# Altium PCB DIOT_template.PcbDoc (part 2 of 2)
Units mm, origin at the board's own origin, x right, y up, seen from the top; angles counter-clockwise.
Board outline 222.37 x 100 mm, 6 copper layers (TopLayer, MidLayer1, MidLayer2, SignalLayer1, Internal Plane 1, BottomLayer), stack 1.528 mm thick; 129 components, 137 nets, 557 pads, 0 vias.
Unrouted connection lines stored in the file: 202.
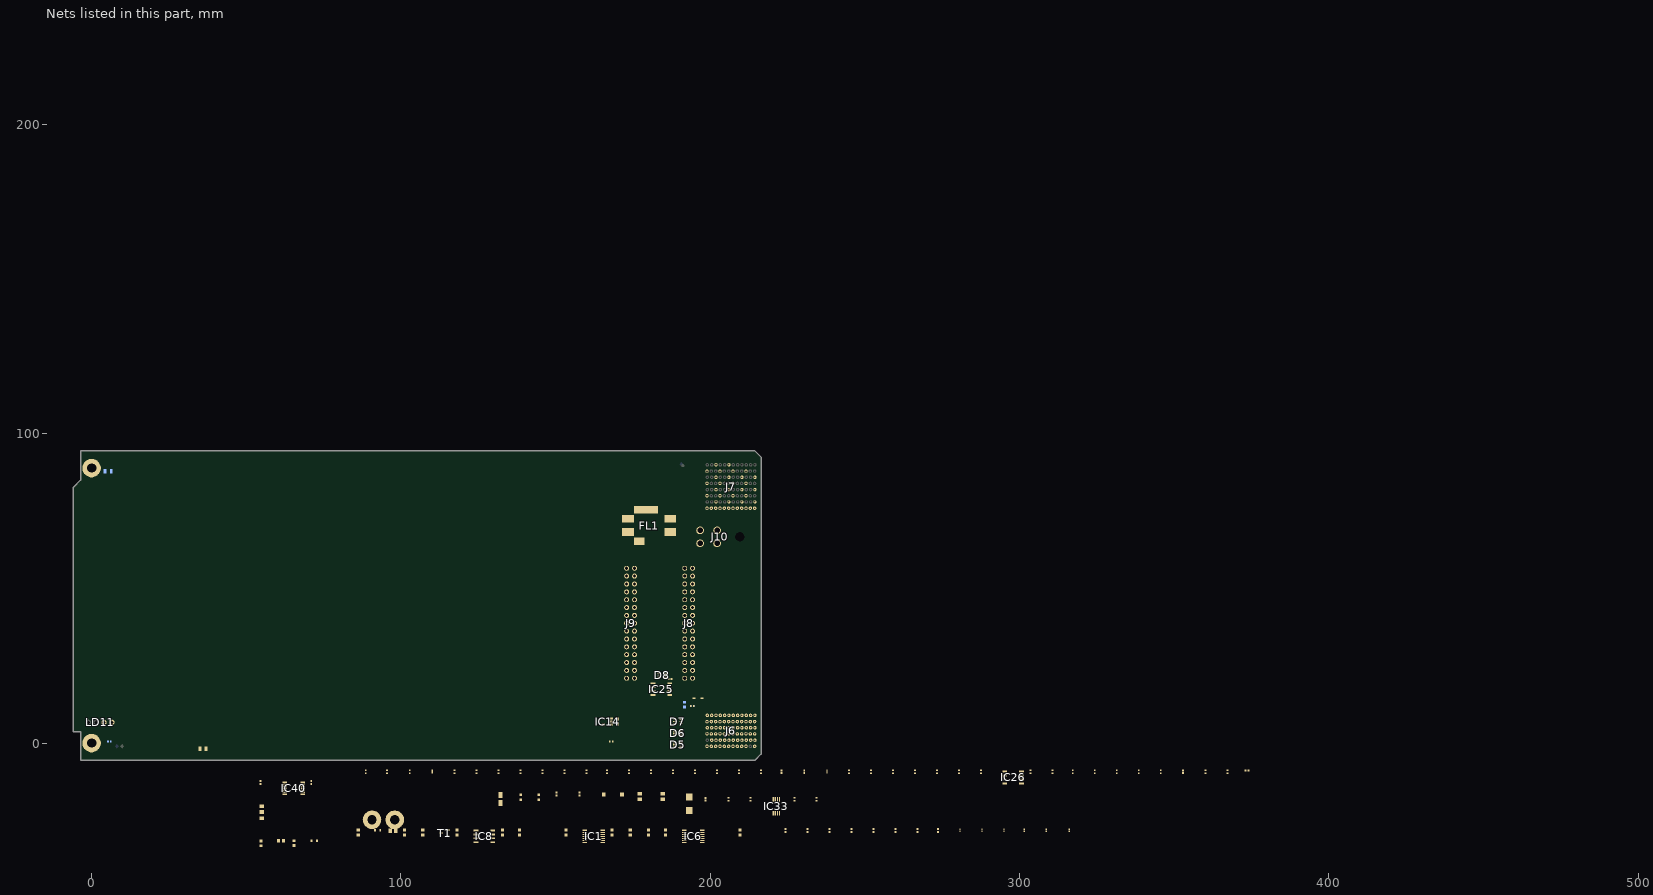
[diagram p3: the nets of this part, all layers, seen from the top]

## Part data
C1 C10 C11 C14: library part CC0603_100NF_50V_10%_X7R, "Non-polarised capacitor", Case=0603, Manufacturer=GENERIC, Manufacturer1 ComponentHeight=0.87mm, Manufacturer1 Example=PHYCOMP, Manufacturer1 Part Number=223858615649, Tolerance=±10%, Voltage=50V, Author="CERN DEM JLC", Component Type=Standard, CreateDate=03.12.2007, HelpURL=\\cern.ch\dfs\Applications\Altium\Datasheets\CC0603_X7R_PHYCOMP.pdf, LatestRevisionDate=03.12.2007, Manufacturer Part Number=CC0603_100NF_50V_10%_X7R, Mounted=Yes, Part Description="SMD Multilayer Chip Ceramic Capacitor", Part Number=CC0603_100NF_50V_10%_X7R, Pin Count=2, Sense=No, SMD=Yes, Socket=No, Status=Preferred, TC=X7R
C8: library part CC0805_22UF_16V_10%_X5R, "Non-polarised capacitor", Case=0805, Manufacturer=GENERIC, Manufacturer1 ComponentHeight=1.35mm, Manufacturer1 Example=TDK, Manufacturer1 Part Number=C2012X5R1C226KT, Tolerance=±10%, Voltage=16V, Author="CERN DEM JLC", Component Type=Standard, CreateDate=25.10.2012, HelpURL=\\cern.ch\dfs\Applications\Altium\Datasheets\CC0805_X5R_TDK_C.pdf, LatestRevisionDate=25.10.2012, Manufacturer Part Number=CC0805_22UF_16V_10%_X5R, Mounted=Yes, Part Description="SMD Multilayer Chip Ceramic Capacitor", Part Number=CC0805_22UF_16V_10%_X5R, Pin Count=2, Sense=No, SMD=Yes, Socket=No, Status=Preferred, TC=X5R
C12: library part CC0603_1UF_16V_10%_X7R, "Non-polarised capacitor", Case=0603, Manufacturer=GENERIC, Manufacturer1 ComponentHeight=0.9mm, Manufacturer1 Example="YAGEO PHYCOMP", Manufacturer1 Part Number=223878615663, Tolerance=±10%, Voltage=16V, Author="CERN DEM JLC", Component Type=Standard, CreateDate=03.12.2007, HelpURL=\\cern.ch\dfs\Applications\Altium\Datasheets\CC0603_X7R_PHYCOMP.pdf, LatestRevisionDate=17.04.2015, Manufacturer Part Number=CC0603_1UF_16V_10%_X7R, Mounted=Yes, Part Description="SMD Multilayer Chip Ceramic Capacitor", Part Number=CC0603_1UF_16V_10%_X7R, Pin Count=2, Sense=No, SMD=Yes, Socket=No, Status=None, TC=X7R
C40: library part CC0603_1UF_25V_10%_X7R, "Non-polarised capacitor", Case=0603, Manufacturer=GENERIC, Manufacturer1 ComponentHeight=0.9mm, Manufacturer1 Example=MURATA, Manufacturer1 Part Number=GRM188R71E105KA12D, Tolerance=±10%, Voltage=25V, Author="CERN DEM JLC", Component Type=Standard, CreateDate=18.01.2011, HelpURL=\\cern.ch\dfs\Applications\Altium\Datasheets\CC0603_X7R_MURATA.pdf, LatestRevisionDate=18.01.2011, Manufacturer Part Number=CC0603_1UF_25V_10%_X7R, Mounted=Yes, Part Description="SMD Multilayer Chip Ceramic Capacitor", Part Number=CC0603_1UF_25V_10%_X7R, Pin Count=2, Sense=No, SMD=Yes, Socket=No, Status=None, TC=X7R
C102: library part CTE3216-18_4.7UF_10V_10%_AVX_TPSA475K010T1400, "Polarised capacitor", Case=A, Manufacturer=AVX, Manufacturer Part Number=TPSA475K010T1400, Tolerance=±10%, Voltage=10V, Author="CERN DEM JLC", Component Type=Standard, ComponentHeight=1.8mm, CreateDate=23.01.2018, HelpURL=\\cern.ch\dfs\Applications\Altium\Datasheets\CTE-LESR_AVX_TPS-AUTO.pdf, LatestRevisionDate=23.01.2018, Mounted=Yes, Part Description="Low ESR 1R4 Automotive Solid Tantalum Chip Capacitor", Part Number=CTE3216-18_4.7UF_10V_10%_AVX_TPSA475K010T1400, Pin Count=2, Sense=No, SMD=Yes, Socket=No, Status=Preferred
C212: library part CC0402_22PF_50V_5%_C0G, "Non-polarised capacitor", Case=0402, Manufacturer=GENERIC, Manufacturer1 ComponentHeight=0.55mm, Manufacturer1 Example=KEMET, Manufacturer1 Part Number=C0402C220J5GACTU, Tolerance=±5%, Voltage=50V, Author="CERN DEM JLC", Component Type=Standard, CreateDate=2007-12-03, HelpURL="\\cern.ch\dfs\Applications\Altium\Datasheets\CC0402_C0G_KEMET_(Commercial Grade).pdf", LatestRevisionDate=2007-12-03, Manufacturer Part Number=CC0402_22PF_50V_5%_C0G, Mounted=Yes, Part Description="SMD Multilayer Chip Ceramic Capacitor", Part Number=CC0402_22PF_50V_5%_C0G, Pin Count=2, Sense=No, SMD=Yes, Socket=No, Status=Preferred, TC=C0G/NP0
C219 C306 C307: library part CC0402_100NF_25V_10%_X7R_YUDEN_TMK105B7104KVHF, "Non-polarised capacitor", Case=0402, Manufacturer="TAIYO YUDEN", Manufacturer Part Number=TMK105B7104KVHF, Tolerance=±10%, Voltage=25V, Author="CERN DEM JLC", Component Type=Standard, ComponentHeight=0.55mm, CreateDate=10-May-17, HelpURL=\\cern.ch\dfs\Applications\Altium\Datasheets\CC0402_TAIYO-YUDEN_TMK105B7104KVHF.pdf, LatestRevisionDate=10-May-17, Mounted=Yes, Part Description="SMD Multilayer Chip Ceramic Capacitor (High Dielectric Type) for Automotive / Industrial Applications", Part Number=CC0402_100NF_25V_10%_X7R_YUDEN_TMK105B7104KVHF, Pin Count=2, Sense=No, SMD=Yes, Socket=No, Status="Not Recommended", TC=X7R
C220 C245 C298: library part CC0402_100NF_16V_10%_X5R, "Non-polarised capacitor", Case=0402, Manufacturer=GENERIC, Manufacturer1 ComponentHeight=0.55mm, Manufacturer1 Example=MURATA, Manufacturer1 Part Number=GRM155R61C104KA88D, Tolerance=±10%, Voltage=16V, Author="CERN DEM JLC", Component Type=Standard, CreateDate=10.12.2013, HelpURL=\\cern.ch\dfs\Applications\Altium\Datasheets\CC0402_X5R_MURATA_GRM.pdf, LatestRevisionDate=10.12.2013, Manufacturer Part Number=CC0402_100NF_16V_10%_X5R, Mounted=Yes, Part Description="SMD Multilayer Chip Ceramic Capacitor", Part Number=CC0402_100NF_16V_10%_X5R, Pin Count=2, Sense=No, SMD=Yes, Socket=No, Status=None, TC=X5R
C262 C263 C264: library part CC0805_10UF_25V_10%_X5R, "Non-polarised capacitor", Case=0805, Manufacturer=GENERIC, Manufacturer1 ComponentHeight=0.95mm, Manufacturer1 Example=MURATA, Manufacturer1 Part Number=GRM219R61E106KA12D, Tolerance=±10%, Voltage=25V, Author="CERN DEM JLC", Component Type=Standard, CreateDate=25.10.2012, HelpURL=\\cern.ch\dfs\Applications\Altium\Datasheets\CC0805_X5R_MURATA_GRM.pdf, LatestRevisionDate=06.09.2016, Manufacturer Part Number=CC0805_10UF_25V_10%_X5R, Mounted=Yes, Part Description="SMD Multilayer Chip Ceramic Capacitor", Part Number=CC0805_10UF_25V_10%_X5R, Pin Count=2, Sense=No, SMD=Yes, Socket=No, Status=Preferred, TC=X5R
D1 D2: "Schottky Diode", Case=SOD-523F, Manufacturer=COMCHIP, Power=500mA, Voltage=20V, Author="CERN DEM HF", Bonding=No, Component Type=Standard, ComponentHeight=1mm, CreateDate=13.10.2023, Device=CDBU0520-HF, HelpURL=\\cern.ch\dfs\Applications\Altium\Datasheets\CDBU0520-HF.pdf, LatestRevisionDate=13.10.2023, Manufacturer Part Number=CDBU0520-HF, Mounted=Yes, PackageDescription="Small Outline Diode Flat Lead (SOD-523F), Body; 1.80mm L X 1mm W X 0.85mm H", Part Description="20V Surface mount Schottky Barrier Diode", Part Number=CDBU0520-HF, Pin Count=2, PressFit=No, Sense=No, SMD=Yes, Socket=No
D5 D6 D7 D8: "Fivefold ESD Protection Diode Arrays", Case=SOT363, Manufacturer=NEXPERIA, Power=200W, Voltage=3.3V, Author="CERN DEM WB", Bonding=No, Component Type=Standard, ComponentHeight=1.1mm, CreateDate=05.07.2021, Device=PESD3V3L5UY, HelpURL=\\cern.ch\dfs\Applications\Altium\Datasheets\PESD3V3L5UY.pdf, LatestRevisionDate=05.07.2021, Manufacturer Part Number=PESD3V3L5UY, Mounted=Yes, PackageDescription="SOT363, SC-88, 0.65mm Pitch; 6 Pin, 1.25mm W X 2.00mm L X 1.10mm H body, IPC Medium Density", Part Description="Fivefold ESD Protection Diode Arrays (30kV)", Part Number=PESD3V3L5UY, Pin Count=6, PressFit=No, Sense=No, SMD=Yes, Socket=No
D10: "Zener Diode", Case=DO-214AA, Manufacturer="FAIRCHILD SEMICONDUCTOR", Power=600W, Voltage=12V, Author="CERN DEM JLC", Bonding=No, Component Type=Standard, ComponentHeight=2.65mm, CreateDate=10.04.2013, Device=SMBJ12A, HelpURL=\\cern.ch\dfs\Applications\Altium\Datasheets\SMBJ.pdf, LatestRevisionDate=10.04.2013, Manufacturer Part Number=SMBJ12A, Mounted=Yes, PackageDescription="DO-214-AA/SMB Diode, Molded Body; 5.34mm L X 3.625mm W X 2.65mm H, IPC Medium Density", Part Description="Uni-Directional Transient Voltage Suppressor Diode", Part Number=SMBJ12A, Pin Count=2, PressFit=No, Sense=No, SMD=Yes, Socket=No
D11: "Schottky Diode", Case=SOD323, Manufacturer=INFINEON, Power=750mA, Voltage=40V, Author="CERN DEM JLC", Bonding=No, Component Type=Standard, ComponentHeight=1.1mm, CreateDate=12.11.2014, Device=BAT165, HelpURL=\\cern.ch\dfs\Applications\Altium\Datasheets\BAT165.pdf, LatestRevisionDate=12.11.2014, Manufacturer Part Number=BAT165, Mounted=Yes, PackageDescription="Small Outline Diode (SOD-323), 1.70mm W X 1.25mm L X 1.10mm H body,  IPC Medium Density", Part Description="Medium Power AF Schottky Diode", Part Number=BAT165, Pin Count=2, PressFit=No, Sense=No, SMD=Yes, Socket=No
FL1: library part FIL_MURATA_BNX022-01L, "Block Type EMIFIL (LC Combined)", Manufacturer=MURATA, Manufacturer Part Number=BNX022-01L, Resistance=0.5R, Author="CERN DEM JLC", Component Type=Standard, ComponentHeight=3.3mm, CreateDate=10.10.2012, HelpURL=\\cern.ch\dfs\Applications\Altium\Datasheets\FIL_MURATA_BNX022-01L.pdf, LatestRevisionDate=10.10.2012, Mounted=Yes, Part Description="Block Type EMIFIL (LC Combined) SMD Type, BNX02* Series", Part Number=FIL_MURATA_BNX022-01L, Pin Count=2, Sense=No, SMD=Yes, Socket=No, Status=None
FTG1: library part FIDUCIAL_TARGET_C100-200, "Fiducial Target", Author="CERN DEM JLC", Component Type="Standard (No BOM)", ComponentHeight=0mm, CreateDate=09.02.2010, Family=Fiducial, HelpURL=Undefined, LatestRevisionDate=04.04.2012, Mounted=No, PackageDescription="Round Fiducial Target, Top Layer, 1.0mm, Top Solder 2.0mm, Keepout =2.0mm", Part Description="Round Fiducial Target, Top Layer, 1.0mm, Top Solder 2.0mm, Keepout =2.0mm", Part Number=FIDUCIAL_TARGET_C100-200, Pin Count=1, Sense=No, SMD=Yes, Socket=No, Status=None
FTG2 FTG3 FTG4: library part FIDUCIAL_TARGET_S100-200, "Fiducial Target", Author="CERN DEM JLC", Component Type="Standard (No BOM)", ComponentHeight=0mm, CreateDate=09.02.2010, Family=Fiducial, HelpURL=Undefined, LatestRevisionDate=04.04.2012, Mounted=No, PackageDescription="Square Fiducial Target, Top Layer, 1.0mm, Top Solder 2.0mm, Keepout =2.0mm", Part Description="Square Fiducial Target, Top Layer, 1.0mm, Top Solder 2.0mm, Keepout =2.0mm", Part Number=FIDUCIAL_TARGET_S100-200, Pin Count=1, Sense=No, SMD=Yes, Socket=No, Status=None
IC1 IC6 IC40: Case=TSSOP14, Manufacturer="NXP SEMICONDUCTORS", Author="CERN DEM JLC", Bonding=No, Component Type=Standard, ComponentHeight=1.1mm, CreateDate=2014-11-19, Device=74HC4066PW, HelpURL=\\cern.ch\dfs\Applications\Altium\Datasheets\74HC4066PW.pdf, LatestRevisionDate=2014-11-19, Manufacturer Part Number=74HC4066PW, Mounted=Yes, PackageDescription="SOP, 14-Leads, Body 4.4x5mm (max), Pitch 0.65mm, IPC Medium Density", Part Description="Quad Single-Pole Single-Throw Analog Switch", Part Number=74HC4066PW, Pin Count=14, PressFit=No, SMD=Yes, Socket=No, Table="Standard Logic"
IC8: "LinCMOS Timer", Case=SOIC8, Manufacturer="TEXAS INSTRUMENTS", Author="CERN DEM JMW", Bonding=No, Component Type=Standard, ComponentHeight=1.75mm, CreateDate=23.08.2016, Device=TLC555ID, HelpURL=\\cern.ch\dfs\Applications\Altium\Datasheets\TLC555ID.pdf, LatestRevisionDate=23.08.2016, Manufacturer Part Number=TLC555ID, Mounted=Yes, PackageDescription="SOIC 8, Pitch 1.27mm, Body 4x5mm, IPC Medium Density", Part Description="LinCMOS Timer", Part Number=TLC555ID, Pin Count=8, PressFit=No, Sense=No, SMD=Yes, Socket=No
IC14: "500mA Peak Output LDO Regulator", Case=SOT23-5, Manufacturer="MICROCHIP TECHNOLOGY", Author="CERN DEM WB", Bonding=No, Component Type=Standard, ComponentHeight=1.45mm, CreateDate=2019-04-16, Device=MIC5219-3.3YM5, HelpURL=\\cern.ch\dfs\Applications\Altium\Datasheets\MIC5219-3.3YM5.pdf, LatestRevisionDate=2019-04-16, Manufacturer Part Number=MIC5219-3.3YM5, Mounted=Yes, PackageDescription="SOT, 0.95mm pitch; 5 pin, 1.60mm W X 2.90mm L X 1.45mm H body, IPC Medium Density", Part Description="3.3V 500mA Peak Output Low Drop-Out  (LDO) Regulator", Part Number=MIC5219-3.3YM5, Pin Count=5, PressFit=No, Sense=No, SMD=Yes, Socket=No
IC25 IC26: "1.7V-5.5V, 2K I2C™ Serial EEPROMs with EUI-48™ Node Identity", Case=SOIC8, Manufacturer="MICROCHIP TECHNOLOGY", Author="CERN DEM MR", Bonding=No, Component Type=Standard, ComponentHeight=1.75mm, CreateDate=19.07.2016, Device=24AA025E48-I/SN, HelpURL=\\cern.ch\dfs\Applications\Altium\Datasheets\24AA025E48-I-SN.pdf, LatestRevisionDate=19.07.2016, Manufacturer Part Number=24AA025E48-I/SN, Mounted=Yes, PackageDescription="SOIC 8, Pitch 1.27mm - Body 4x5mm, IPC Medium Density", Part Description="1.7V-5.5V, 2K I2C™ Serial EEPROMs with EUI-48™ Node Identity", Part Number=24AA025E48-I/SN, Pin Count=8, PressFit=No, Sense=No, SMD=Yes, Socket=No
IC33: "Digital Temperature Sensor and Thermal Watchdog with Two-Wire Interface", Case=SSOP8, Manufacturer="TEXAS INSTRUMENTS", Author="CERN DEM JLC", Bonding=No, Component Type=Standard, ComponentHeight=1.09mm, CreateDate=15.10.2012, Device=LM75AIMM/NOPB, HelpURL=\\cern.ch\dfs\Applications\Altium\Datasheets\LM75AIMM-NOPB.pdf, LatestRevisionDate=15.10.2012, Manufacturer Part Number=LM75AIMM/NOPB, Mounted=Yes, PackageDescription="SOP, 0.65mm pitch; 8 pin,3.00mm W X 3.00mm L X 1.09mm H bodyI, PC Medium Density", Part Description="-25° to +100°C ±2°C Digital Temperature Sensor and Thermal Watchdog with Two-Wire Interface", Part Number=LM75AIMM/NOPB, Pin Count=8, PressFit=No, Sense=No, SMD=Yes, Socket=No
J6: library part AMPHENOL_10052825-101LF, "72 Contacts Header, 6 Columns, 4 Pairs per Column", Manufacturer=AMPHENOL, Manufacturer Part Number=10052825-101LF, Author="CERN DEM MR", ClassName=Overlapping, Component Type=Standard, ComponentHeight=15.35mm, ComponentLink1Description=Application, ComponentLink1URL=\\cern.ch\dfs\Applications\Altium\Datasheets\AMPHENOL_10052825-101LF_Application.pdf, CreateDate=19/02/2018, Family="AirMax VS", HelpURL=\\cern.ch\dfs\Applications\Altium\Datasheets\AMPHENOL_10052825-101LF.pdf, LatestRevisionDate=19/02/2018, Mounted=Yes, Part Description="72 Contacts, 2mm Pitch, 6 Columns, 4 Pairs per Column, 4 Walls, Right Angle Header", Part Number=AMPHENOL_10052825-101LF, Pin Count=72, PressFit=Yes, Sense=No, SMD=No, Socket=No, Status=None
J7: library part AMPHENOL_10052838-101LF, "96 Contacts Header, 8 Columns, 4 Pairs per Column", Manufacturer=AMPHENOL, Manufacturer Part Number=10052838-101LF, Author="CERN DEM MR", Component Type=Standard, ComponentHeight=15.35mm, ComponentLink1Description=Application, ComponentLink1URL=\\cern.ch\dfs\Applications\Altium\Datasheets\AMPHENOL_10052838-101LF_Application.pdf, CreateDate=19.02.2018, Family="AirMax VS", HelpURL=\\cern.ch\dfs\Applications\Altium\Datasheets\AMPHENOL_10052838-101LF.pdf, LatestRevisionDate=19.02.2018, Mounted=Yes, Part Description="96 Contacts, 2mm Pitch, 8 Columns, 4 Pairs per Column, 4 Walls, Right Angle Header", Part Number=AMPHENOL_10052838-101LF, Pin Count=96, PressFit=Yes, Sense=No, SMD=No, Socket=No, Status=None
J8 J9: library part 3M_N2530-6002RB, "Connector 30 Male", Manufacturer=3M, Manufacturer Part Number=N2530-6002RB, Author="CERN DEM JLC", Component Type=Standard, ComponentHeight=10.03mm, CreateDate=11.02.2009, Family="Header 30", HelpURL=\\cern.ch\dfs\Applications\Altium\Datasheets\3M_N2530-6002RB.pdf, LatestRevisionDate=11.08.2009, Mounted=Yes, Part Description="30 Contacts - Straight .100'' x .100'' Low Profile Four-Wall Header, 2500 Series", Part Number=3M_N2530-6002RB, Pin Count=30, PressFit=No, Sense=No, SMD=No, Socket=No, Status=None
J10: library part MOLEX_39-30-0040, "Connector 4 Male", Manufacturer=MOLEX, Manufacturer Part Number=39-30-0040, Author="CERN DEM JLC", Component Type=Standard, ComponentHeight=11.4mm, CreateDate=2018-10-02, Family="Mini-Fit Jr.™", HelpURL=\\cern.ch\dfs\Applications\Altium\Datasheets\MOLEX_39-30-0040.pdf, LatestRevisionDate=2018-10-02, Mounted=Yes, Part Description="4.20mm (.165\") Pitch Mini-Fit Jr. Header, Dual Row, Right Angle with Snap-in Plastic Peg PCB Lock, 4 Circuits", Part Number=MOLEX_39-30-0040, Pin Count=4, PressFit=No, Sense=No, SMD=No, Socket=No, Status=None
LD4 LD5: library part LED_KINGBRIGHT_KPH-1608CGCK, "LED Green 1C 2A", Manufacturer=KINGBRIGHT, Manufacturer Part Number=KPH-1608CGCK, Author="CERN DEM JLC", Bonding=No, Color=Green, Component Type=Standard, ComponentHeight=0.65mm, CreateDate=03.07.2017, HelpURL=\\cern.ch\dfs\Applications\Altium\Datasheets\LED_KINGBRIGHT_KPH-1608CGCK.pdf, LatestRevisionDate=03.07.2017, Mounted=Yes, PackageDescription="SMT Green LED, Case 0603, Body L 1.6 x W 0.8mm H 0.65mm", Part Description="SMD Green LED, Case 1.6mmX0.8mm(0603), 0.65mm Thickness", Part Number=LED_KINGBRIGHT_KPH-1608CGCK, Pin Count=2, PressFit=No, Sense=No, SMD=Yes, Socket=No
LD11: library part LED_DIALIGHT_571-0112F, "2x LED  Botom Green, Top Red", Manufacturer=DIALIGHT, Manufacturer Part Number=571-0112F, Author="CERN DEM JLC", Bonding=No, Color=Red/Green, Component Type=Standard, ComponentHeight=8.6mm, CreateDate=09.11.2009, HelpURL=\\cern.ch\dfs\Applications\Altium\Datasheets\LED_DIALIGHT_571-0112F.pdf, LatestRevisionDate=17.03.2010, Mounted=Yes, PackageDescription="2x 2mm LED (Top: Red, Bot: Green) PCB Edge Mounting (Without positioning pins) DIALIGHT 571 Serie", Part Description="Dual 2mm  LEDs, Red Top,Green Bot, CBI® Circuit Board Indicator (Without positioning pins)", Part Number=LED_DIALIGHT_571-0112F, Pin Count=4, PressFit=No, Sense=No, SMD=No, Socket=No
M1 M2 M3 M4: library part PLATED_HOLE3.0_PAD6.0, "Single Terminal Socket", Author="CERN DEM JLC", Component Type="Standard (No BOM)", ComponentHeight=0mm, CreateDate=26.05.2008, Family="Plated Hole", LatestRevisionDate=26.05.2008, Mounted=No, PackageDescription="Plated Through Hole: Hole Dia.=3.0mm Pad Dia.=6.0mm", Part Description="Plated Through Hole: Hole Dia.=3.0mm Pad Dia.=6.0mm", Part Number=PLATED_HOLE3.0_PAD6.0, Pin Count=1, SMD=No, Socket=No, Status=None, Table=Pads
R3 R77 R145 R146 R147 R148 R149 R150 R151 R152 R153 R154 R155 R156 R157 R158 R159 R161 R162 R163 R164 R167 R168 R169 R170 R171 R172 R173 R174 R175 R176 R177 R188 R194 R257 R260 R261 R262: library part R0402_0R_JUMPER, "Resistor", Case=0402, Manufacturer=GENERIC, Manufacturer1 ComponentHeight=0.4mm, Manufacturer1 Example="YAGEO PHYCOMP", Manufacturer1 Part Number=232270591001L, Author="CERN DEM JLC", Component Type=Standard, CreateDate=03.12.2007, HelpURL=\\cern.ch\dfs\Applications\Altium\Datasheets\R0402_Phycomp_RC0402.pdf, LatestRevisionDate=17.10.2012, Manufacturer Part Number=R0402_0R_JUMPER, Mounted=Yes, Part Description="1A (0.05R Max DC Resistance) Zero Ohm Jumper", Part Number=R0402_0R_JUMPER, Pin Count=2, Sense=No, SMD=Yes, Socket=No
  R3 R77 R145 R146 R147 R148 R149 R150 R151 R152 R153 R154 R155 R156 R157 R158 R159 R161 R162 R163 R164 R167 R168 R169 R170 R171 R172 R173 R174 R175 R176 R177 R257 R260 R261 R262: PressFit=No, Status="Not Recommended"
  R188 R194: Status="Not recommended"
R28 R30 R37 R38 R39 R40 R46: library part R0603_10K_1%_0.1W_100PPM, "Resistor - 1%", Case=0603, Manufacturer=GENERIC, Manufacturer1 ComponentHeight=0.55mm, Manufacturer1 Example="NIC COMPONENT", Manufacturer1 Part Number=NRC06F1002TRF, Power=0.1W, Tolerance=±1%, Author="CERN DEM JLC", Component Type=Standard, CreateDate=03.12.2007, HelpURL=\\cern.ch\dfs\Applications\Altium\Datasheets\R0603_NIC_NRC.pdf, LatestRevisionDate=13.03.2008, Manufacturer Part Number=R0603_10K_1%_0.1W_100PPM, Mounted=Yes, Part Description="General Purpose Thick Film Chip Resistor", Part Number=R0603_10K_1%_0.1W_100PPM, Pin Count=2, PressFit=No, Sense=No, SMD=Yes, Socket=No, Status=Preferred, TC=±100ppm/°C
R32 R33: library part R0603_0R_JUMPER, "Resistor", Case=0603, Manufacturer=GENERIC, Manufacturer1 ComponentHeight=0.55mm, Manufacturer1 Example="NIC COMPONENT", Manufacturer1 Part Number=NRC06Z0, Author="CERN DEM JLC", Component Type=Standard, CreateDate=03.12.2007, HelpURL=\\cern.ch\dfs\Applications\Altium\Datasheets\R0603_NIC_NRC.pdf, LatestRevisionDate=13.03.2008, Manufacturer Part Number=R0603_0R_JUMPER, Mounted=Yes, Part Description="1A (0.05R Max DC Resistance) Zero Ohm Jumper", Part Number=R0603_0R_JUMPER, Pin Count=2, PressFit=No, Sense=No, SMD=Yes, Socket=No, Status=Preferred
R35 R43: library part R0603_2K7_1%_0.1W_100PPM, "Resistor - 1%", Case=0603, Manufacturer=GENERIC, Manufacturer1 ComponentHeight=0.55mm, Manufacturer1 Example="YAGEO PHYCOMP", Manufacturer1 Part Number=RC0603FR-072K7L, Power=0.1W, Tolerance=±1%, Author="CERN DEM JLC", Component Type=Standard, CreateDate=02.05.2011, HelpURL=\\cern.ch\dfs\Applications\Altium\Datasheets\R0603_PHYCOMP_RC0603.pdf, LatestRevisionDate=02.05.2011, Manufacturer Part Number=R0603_2K7_1%_0.1W_100PPM, Mounted=Yes, Part Description="General Purpose Thick Film Chip Resistor", Part Number=R0603_2K7_1%_0.1W_100PPM, Pin Count=2, PressFit=No, Sense=No, SMD=Yes, Socket=No, Status=Preferred, TC=±100ppm/°C
R119 R120: library part "R0805_10M_1%_0.125W_100PPM_VISHAY_CRCW e3", "Resistor - 1%", Case=0805, Manufacturer="VISHAY DALE", Manufacturer Part Number=CRCW080510M0FKEA, Power=0.125W, Tolerance=±1%, Author="CERN DEM BC", Component Type=Standard, ComponentHeight=0.5mm, CreateDate=2019-11-12, HelpURL="\\cern.ch\dfs\Applications\Altium\Datasheets\R0805_VISHAY_CRCW e3.pdf", LatestRevisionDate=2019-11-12, Mounted=Yes, Part Description="150V, Standard Thick Film Chip Resistor", Part Number="R0805_10M_1%_0.125W_100PPM_VISHAY_CRCW e3", Pin Count=2, PressFit=No, Sense=No, SMD=Yes, Socket=No, Status=None, TC=±100ppm/°C
R126: library part R0805_1M1_1%_0.125W_100PPM, "Resistor - 1%", Case=0805, Manufacturer=GENERIC, Manufacturer1 ComponentHeight=0.6mm, Manufacturer1 Example="NIC COMPONENT", Manufacturer1 Part Number=NRC10F1104TRF, Author="CERN DEM JLC", Component Type=Standard, CreateDate=03/12/2007, HelpURL=\\cern.ch\dfs\Applications\Altium\Datasheets\R0805_NIC_NRC.pdf, LatestRevisionDate=13/03/2008, Manufacturer Part Number=R0805_1M1_1%_0.125W_100PPM, Mounted=Yes, Part Description="General Purpose Thick Film Chip Resistor", Part Number=R0805_1M1_1%_0.125W_100PPM, Pin Count=2, PressFit=No, Sense=No, SMD=Yes, Socket=No, Status=Preferred
R127 R128 R141 R142 R143 R144 R245 R246: library part R0201_0R_JUMPER, "Resistor", Case=0201, Manufacturer=GENERIC, Manufacturer1 ComponentHeight=0.27mm, Manufacturer1 Example=VISHAY, Manufacturer1 Part Number=CRCW02010000Z0ED, Author="CERN DEM JLC", Component Type=Standard, CreateDate=2014-11-19, HelpURL="\\cern.ch\dfs\Applications\Altium\Datasheets\R0201_VISHAY_CRCW e3.pdf", LatestRevisionDate=2015-01-08, Manufacturer Part Number=R0201_0R_JUMPER, Mounted=Yes, Part Description="1A (0.05R Max DC Resistance) Zero Ohm Jumper", Part Number=R0201_0R_JUMPER, Pin Count=2, PressFit=No, Sense=No, SMD=Yes, Socket=No, Status="Not Recommended"
R130 R131 R132 R133 R134 R135 R136 R137 R138 R139 R140: library part R0402_22R_1%_0.0625W_100PPM, "Resistor - 1%", Case=0402, Manufacturer=GENERIC, Manufacturer1 ComponentHeight=0.4mm, Manufacturer1 Example="YAGEO PHYCOMP", Manufacturer1 Part Number=232270672209L, Power=0.0625W, Tolerance=±1%, Author="CERN DEM JLC", Component Type=Standard, CreateDate=03.12.2007, HelpURL=\\cern.ch\dfs\Applications\Altium\Datasheets\R0402_Phycomp_RC0402.pdf, LatestRevisionDate=17.10.2012, Manufacturer Part Number=R0402_22R_1%_0.0625W_100PPM, Mounted=Yes, Part Description="General Purpose Thick Film Chip Resistor", Part Number=R0402_22R_1%_0.0625W_100PPM, Pin Count=2, PressFit=No, Sense=No, SMD=Yes, Socket=No, Status="Not Recommended"
R186: library part R0402_1K6_1%_0.0625W_100PPM, "Resistor - 1%", Case=0402, Manufacturer=GENERIC, Manufacturer1 ComponentHeight=0.4mm, Manufacturer1 Example="YAGEO PHYCOMP", Manufacturer1 Part Number=232270671602L, Power=0.0625W, Tolerance=±1%, Author="CERN DEM JLC", Component Type=Standard, CreateDate=03.12.2007, HelpURL=\\cern.ch\dfs\Applications\Altium\Datasheets\R0402_Phycomp_RC0402.pdf, LatestRevisionDate=17.10.2012, Manufacturer Part Number=R0402_1K6_1%_0.0625W_100PPM, Mounted=Yes, Part Description="General Purpose Thick Film Chip Resistor", Part Number=R0402_1K6_1%_0.0625W_100PPM, Pin Count=2, PressFit=No, Sense=No, SMD=Yes, Socket=No, Status="Not Recommended", TC=±100ppm/°C
R187 R224: library part R0402_10K_1%_0.0625W_100PPM, "Resistor - 1%", Case=0402, Manufacturer=GENERIC, Manufacturer1 ComponentHeight=0.4mm, Manufacturer1 Example="YAGEO PHYCOMP", Manufacturer1 Part Number=232270671003L, Power=0.0625W, Tolerance=±1%, Author="CERN DEM JLC", Component Type=Standard, CreateDate=03.12.2007, HelpURL=\\cern.ch\dfs\Applications\Altium\Datasheets\R0402_Phycomp_RC0402.pdf, LatestRevisionDate=17.10.2012, Manufacturer Part Number=R0402_10K_1%_0.0625W_100PPM, Mounted=Yes, Part Description="General Purpose Thick Film Chip Resistor", Part Number=R0402_10K_1%_0.0625W_100PPM, Pin Count=2, PressFit=No, Sense=No, SMD=Yes, Socket=No, Status="Not Recommended", TC=±100ppm/°C
R225: library part R0402_1K_1%_0.0625W_100PPM, "Resistor - 1%", Case=0402, Manufacturer=GENERIC, Manufacturer1 ComponentHeight=0.4mm, Manufacturer1 Example="YAGEO PHYCOMP", Manufacturer1 Part Number=232270671002L, Power=0.0625W, Tolerance=±1%, Author="CERN DEM JLC", Component Type=Standard, CreateDate=03.12.2007, HelpURL=\\cern.ch\dfs\Applications\Altium\Datasheets\R0402_Phycomp_RC0402.pdf, LatestRevisionDate=17.10.2012, Manufacturer Part Number=R0402_1K_1%_0.0625W_100PPM, Mounted=Yes, Part Description="General Purpose Thick Film Chip Resistor", Part Number=R0402_1K_1%_0.0625W_100PPM, Pin Count=2, PressFit=No, Sense=No, SMD=Yes, Socket=No, Status="Not Recommended", TC=±100ppm/°C
T1: "N-CHANNEL MOSFET WITH DIODE", Case=SOT23-3, Manufacturer="ON SEMICONDUCTOR", Manufacturer Part Number=BSS138L, Author="CERN DEM JLC", Bonding=No, Component Type=Standard, ComponentHeight=1.11mm, CreateDate=23.03.2009, Device=BSS138LT1G, HelpURL=\\cern.ch\dfs\Applications\Altium\Datasheets\BSS138LT1G.pdf, LatestRevisionDate=25.05.2022, Mounted=Yes, PackageDescription="SOT23, 0.95mm Pitch; 3 Pin, 1.40mm W X 3.00mm L X 1.10mm H body, IPC Medium Density", Part Description="50V, 200mA N-Channel Enhancement Mode Field-Effect Transistor", Part Number=BSS138LT1G, Pin Count=3, PressFit=No, Sense=No, SMD=Yes, Socket=No
TP2 TP3: library part SMD_PAD_1.27X1.27MM, "Test Point", Author="CERN DEM JLC", Component Type="Standard (No BOM)", ComponentHeight=0mm, CreateDate=12.01.2008, Family="Test Point", HelpURL=Undefined, LatestRevisionDate=12.01.2008, Mounted=No, PackageDescription="1.27mm x 1.27mm PCB Copper Area (SMD Test Point)", Part Description="1.27mm x 1.27mm PCB Copper Area (SMD Test Point)", Part Number=SMD_PAD_1.27X1.27MM, Pin Count=1, Sense=No, SMD=Yes, Socket=No, Status=None

## Nets (pads, with @x,y where several pads share a name; then routed paths per layer and width w, separated by ;. In a path a pad name is that pad's centre, name@x,y a point inside that pad or via, vN(x,y) a via of type N, cw(c..) or ccw(c..) an arc to the next point about the centre after c; other vN are vias at no path point)
BGA0: D6.3 J6.C3 R130.2
BGA1: D6.1 J6.F3 R131.2
BGA2: D6.6 J6.I3 R136.2
BGA3: D7.4 J6.L3 R140.2
BP_I2C.SCL: D5.3 IC1.8 IC1.11 J6.B2 R77.1
BP_I2C.SDA: D5.1 IC1.1 IC1.4 J6.C2 R3.1
BP_IO.LVDS_N0: J6.E3 R161.1
BP_IO.LVDS_N1: J6.B3 R162.1
BP_IO.LVDS_N2: J6.C4 R163.1
BP_IO.LVDS_N3: J6.L4 R164.1
BP_IO.LVDS_N4: J6.I4 R167.1
BP_IO.LVDS_N5: J6.K5 R168.1
BP_IO.LVDS_N6: J6.H5 R169.1
BP_IO.LVDS_N7: J6.F6 R170.1
BP_IO.LVDS_N8: J6.C6 R171.1
BP_IO.LVDS_N9: J6.L6 R172.1
BP_IO.LVDS_N10: J6.I6 R173.1
BP_IO.LVDS_N11: J7.E1 R174.1
BP_IO.LVDS_N12: J7.B1 R175.1
BP_IO.LVDS_N13: J7.K1 R176.1
BP_IO.LVDS_N14: J7.H1 R177.1
BP_IO.LVDS_N15: J6.F2 R144.2
BP_IO.LVDS_P0: J6.D3 R145.1
BP_IO.LVDS_P1: J6.A3 R146.1
BP_IO.LVDS_P2: J6.B4 R147.1
BP_IO.LVDS_P3: J6.K4 R148.1
BP_IO.LVDS_P4: J6.H4 R149.1
BP_IO.LVDS_P5: J6.J5 R150.1
BP_IO.LVDS_P6: J6.G5 R151.1
BP_IO.LVDS_P7: J6.E6 R152.1
BP_IO.LVDS_P8: J6.B6 R153.1
BP_IO.LVDS_P9: J6.K6 R154.1
BP_IO.LVDS_P10: J6.H6 R155.1
BP_IO.LVDS_P11: J7.D1 R156.1
BP_IO.LVDS_P12: J7.A1 R157.1
BP_IO.LVDS_P13: J7.J1 R158.1
BP_IO.LVDS_P14: J7.G1 R159.1
BP_IO.LVDS_P15: J6.E2 R143.2
BP_MGT.Rx_N: R142.1
BP_MGT.Rx_P: R141.1
BP_MGT.Tx_N: R246.1
BP_MGT.Tx_P: R245.1
BP_MGT_Rx_N: J6.E5 R142.2
BP_MGT_Rx_P: J6.D5 R141.2
BP_MGT_Tx_N: J6.B5 R246.2
BP_MGT_Tx_P: J6.A5 R245.2
EEM0_I2C.SCL: D8.1 IC25.6 IC33.2 IC40.1 J8.27
EEM0_I2C.SDA: D8.3 IC25.5 IC33.1 IC40.4 J8.26
EEM_IO.LVDS_N5: J8.18 R168.2
EEM_IO.LVDS_N6: J8.21 R169.2
EEM_IO.LVDS_N7: J8.24 R170.2
EEM_IO.LVDS_N8: J9.3 R171.2
EEM_IO.LVDS_N9: J9.6 R172.2
EEM_IO.LVDS_N10: J9.9 R173.2
EEM_IO.LVDS_N11: J9.12 R174.2
EEM_IO.LVDS_N12: J9.15 R175.2
EEM_IO.LVDS_N13: J9.18 R176.2
EEM_IO.LVDS_N14: J9.21 R177.2
EEM_IO.LVDS_N15: J9.24 R144.1
EEM_IO.LVDS_P5: J8.17 R150.2
EEM_IO.LVDS_P6: J8.20 R151.2
EEM_IO.LVDS_P7: J8.23 R152.2
EEM_IO.LVDS_P8: J9.2 R153.2
EEM_IO.LVDS_P9: J9.5 R154.2
EEM_IO.LVDS_P10: J9.8 R155.2
EEM_IO.LVDS_P11: J9.11 R156.2
EEM_IO.LVDS_P12: J9.14 R157.2
EEM_IO.LVDS_P13: J9.17 R158.2
EEM_IO.LVDS_P14: J9.20 R159.2
EEM_IO.LVDS_P15: J9.23 R143.1
GA0: IC6.6 R46.2 R130.1
GA1: IC6.12 R40.2 R131.1
GA2: IC6.13 R30.2 R136.1
GA3: R140.1
GND: C1.1 C8.1 C10.1 C11.1 C12.1 C14.1 C40.1 C102.2 C212.2 C219.1 C220.1 C245.1 C262.1 C263.1 C298.1 C306.1 C307.1 D5.2 D6.2 D7.2 D8.2 D10.2 FL1.4 IC1.7 IC6.3 IC6.4 IC6.5 IC6.7 IC8.1 IC14.2 IC25.1 IC25.2 IC25.3 IC25.4 IC26.1 IC26.2 IC26.3 IC26.4 IC33.4 IC33.5 IC33.6 IC40.6 IC40.7 IC40.8 IC40.9 IC40.10 IC40.11 IC40.12 J6.A2 J6.A4 J6.A6 J6.C1 J6.C5 J6.D2 J6.D4 J6.D6 J6.F1 J6.F5 J6.G2 J6.G4 J6.G6 J6.I1 J6.I5 J6.J2 J6.J4 J6.J6 J6.L1 J6.L5 J7.A2 J7.A4 J7.A6 J7.C1 J7.C3 J7.C5 J7.C7 J7.D2 J7.D4 J7.D6 J7.F1 J7.F3 J7.F5 J7.F7 J7.G2 J7.G4 J7.G6 J7.G8 J7.I1 J7.I3 J7.I5 J7.I7 J7.J2 J7.J4 J7.J6 J7.J8 J7.L1 J7.L3 J7.L5 J7.L7 J8.1 J8.4 J8.7 J8.10 J8.13 J8.16 J8.19 J8.22 J8.25 J9.1 J9.4 J9.7 J9.10 J9.13 J9.16 J9.19 J9.22 J9.25 LD4.1 LD5.1 R119.2 R126.2 R194.1 T1.2
I2C_SCL: IC1.9 IC1.10
I2C_SCL1: D8.6 IC26.6 J9.27
I2C_SDA: IC1.2 IC1.3
I2C_SDA1: D8.4 IC26.5 J9.26
LVDS_DUAL_N0: J8.3 R161.2
LVDS_DUAL_N1: J8.6 R162.2
LVDS_DUAL_N2: J8.9 R163.2
LVDS_DUAL_N3: J8.12 R164.2
LVDS_DUAL_N4: J8.15 R167.2
LVDS_DUAL_P0: J8.2 R145.2
LVDS_DUAL_P1: J8.5 R146.2
LVDS_DUAL_P2: J8.8 R147.2
LVDS_DUAL_P3: J8.11 R148.2
LVDS_DUAL_P4: J8.14 R149.2
NetC8_2: C8.2 IC8.6 IC8.7 R35.2
NetC11_2: C11.2 IC8.5
NetC12_2: C12.2 D2.1 R39.2
NetC264_1: C264.1 FL1.3 J10.1 J10.2
NetC264_2: C264.2 FL1.1 J10.3 J10.4
NetD1_2: D1.2 D2.2 IC8.2
NetD5_4: D5.4 J6.H2 R133.2
NetD5_6: D5.6 J6.K2 R138.2
NetD6_4: D6.4 J6.I2 R137.2
NetD7_1: D7.1 J6.G3 R139.2
NetD7_3: D7.3 J6.H3 R135.2
NetD7_5: D7.5 J6.K3 R134.2
NetD7_6: D7.6 J6.J3 R132.2
NetIC6_1: IC6.1 IC6.11 R28.1 R37.1 R38.1
NetIC6_8: IC6.8 R35.1 R43.1
NetIC6_9: IC6.9 IC6.10 R37.2 R38.2 R43.2
NetIC8_4: IC8.4 R32.2
NetIC33_3: IC33.3 LD11.3 R188.1
NetIC33_7: IC33.7 R194.2
NetLD4_2: LD4.2 R224.1
NetLD5_2: LD5.2 R225.1
NetLD11_4: LD11.4 R186.1
NetR33_1: R33.1 T1.3
NetR33_2: R33.2 R187.1 R188.2
P3V3: C298.2 IC40.14 R225.2 TP3.1
P3V3_DIOT: C1.2 C10.2 C14.2 C102.1 D11.2 IC1.14 IC6.2 IC6.14 IC8.8 IC14.5 R28.2 R30.1 R32.1 R39.1 R40.1 R46.1
P3V3_MP: C219.2 C245.2 C306.2 D11.1 IC25.8 IC33.8 J8.30 R186.2 R187.2
P3V3_MP2: C220.2 C307.2 IC26.8 J9.30
P12V0: C262.2 C263.2 D10.1 FL1.2 J8.28 J8.29 J9.28 J9.29 R224.2 R257.2 R260.2 R261.2 R262.2 TP2.1
P12V0_DIOT: C40.2 IC14.1 IC14.3 J6.A1 J6.D1 J6.E1 J6.G1 J6.H1 J6.J1 J6.K1 R257.1 R260.1 R261.1 R262.1
PE_CLK.CLK_N: R128.1
PE_CLK.CLK_P: R127.1
PE_CLK_N: J6.F4 R128.2
PE_CLK_P: J6.E4 R127.2
RST: IC8.3 T1.1
RSTn: D1.1 R133.1
SERVMOD: IC1.5 IC1.6 IC1.12 IC1.13
SERVMOD_3V3: IC40.5 IC40.13 R138.1
SHARED_BUS_0: R137.1
SHARED_BUS_1: R139.1
SHARED_BUS_2: R135.1
SHARED_BUS_3: R132.1
SHARED_BUS_4: R134.1
STRIP1: C212.1 M1.1 M2.1 M3.1 M4.1 R120.2 R126.1
STRIP2: R119.1
STRIP3: R120.1
Switch_I2C.SCL: IC40.2 R77.2
Switch_I2C.SDA: IC40.3 R3.2
pads on no net: D5.5 D6.5 D8.5 FTG1.FTG2 FTG2.1 FTG3.1 FTG4.1 IC14.4 IC25.7 IC26.7 J6.B1 J6.L2 J7.A3 J7.A5 J7.A7 J7.A8 J7.B2 J7.B3 J7.B4 J7.B5 J7.B6 J7.B7 J7.B8 J7.C2 J7.C4 J7.C6 J7.C8 J7.D3 J7.D5 J7.D7 J7.D8 J7.E2 J7.E3 J7.E4 J7.E5 J7.E6 J7.E7 J7.E8 J7.F2 J7.F4 J7.F6 J7.F8 J7.G3 J7.G5 J7.G7 J7.H2 J7.H3 J7.H4 J7.H5 J7.H6 J7.H7 J7.H8 J7.I2 J7.I4 J7.I6 J7.I8 J7.J3 J7.J5 J7.J7 J7.K2 J7.K3 J7.K4 J7.K5 J7.K6 J7.K7 J7.K8 J7.L2 J7.L4 J7.L6 J7.L8 J10.5 LD11.1 LD11.2

## Polygon pours and split planes (outlines as drawn)
GND on TopLayer "GND_L01_P236" (solid, remove dead copper, pour order 236): 198.431,47.15 198.431,41.225 216.206,41.225 216.206,47.15
STRIP1 on TopLayer "esd1" (solid, pour order 171): -2.752,1.525 4.373,1.525 4.373,-3 36.998,-3 36.998,-4.5 -2.752,-4.5
STRIP2 on TopLayer "esd1" (solid, pour order 173): 79.931,-4.55 96.998,-4.55 96.998,-3.281 41.998,-3.281 41.998,-4.55
STRIP3 on TopLayer "STRIP3_L01_P172" (solid, pour order 172): 214.531,-4.55 214.548,-4.55 215.788,-3.31 116.998,-3.31 116.998,-4.55
GND on BottomLayer "GND_L06_P234" (solid, remove dead copper, pour order 234): 198.431,47.15 198.431,41.225 216.206,41.225 216.206,47.15
STRIP3 on BottomLayer "STRIP3_L06_P175" (solid, pour order 175): 214.531,-4.55 214.548,-4.55 215.788,-3.31 116.998,-3.31 116.998,-4.55
STRIP2 on BottomLayer "esd1" (solid, pour order 176): 79.931,-4.55 96.998,-4.55 96.998,-3.281 41.998,-3.281 41.998,-4.55
STRIP1 on BottomLayer "esd1" (solid, pour order 147): -2.752,0.94 4.373,0.94 4.373,-3 36.998,-3 36.998,-4.5 -2.752,-4.5
STRIP3 on Internal Plane 1 (split plane): 40.658,-3.14 40.686,-3.159 40.699,-3.168 40.748,-3.177 118.371,-3.177 118.371,-5.04 36.625,-5.04 36.625,-0.927 38.445,-0.927
GND on Internal Plane 1 (split plane): 215.959,92.239 215.959,-3.339 214.258,-5.04 118.625,-5.04 118.625,-3.05 118.616,-3.001 118.588,-2.96 118.547,-2.932 118.498,-2.923 40.801,-2.923 38.588,-0.71 38.547,-0.682 38.498,-0.673 36.498,-0.673 36.449,-0.682 36.408,-0.71 36.38,-0.751 36.371,-0.8 36.371,-5.04 -3.06,-5.04 -3.06,3.65 -3.069,3.75 -3.098,3.845 -3.146,3.934 -3.209,4.011 -3.286,4.074 -3.375,4.122 -3.47,4.151 -3.57,4.16 -5.39,4.16 -5.39,82.484 -3.209,84.664 -3.146,84.742 -3.098,84.83 -3.069,84.926 -3.06,85.025 -3.06,93.94 214.258,93.94

## Keep-outs
Keep-Out Layer:
  drawing of 8336 lines, arcs and shapes, not listed

## Other copper
Internal Plane 1 (plane layer: these items are gaps in the copper):
  lines w0.25: 36.498,-5.3 36.498,-0.8 38.498,-0.8 40.748,-3.05 118.498,-3.05 118.498,-5.3
  lines w0.5: 198.438,18.698 198.713,18.973 198.713,18.473

## Silkscreen, mask and mechanical layers (free items; w line width, h text height)
TopOverlay:
  drawing of 1237 lines, arcs and shapes, not listed
  text "WUT ISE 2021" at 27.943,124.662 h1.02
  text "EEM FMC Carrier v1.1" at 13.894,101.879 h1.5
  text "EEM 1" at 172.713,62.173 h1
  text "EEM 0" at 191.213,62.173 h1
  text "Licensed under CERN-OHL-W v2 or later / https://ohwr.org/cernohl / https://github.com/sinara-hw/EEM_FMC_Carrier" at 4.801,27.084 h1.2
  text "P12V0" at 143.248,-1.3 h1
  text "Designed by Pawel Kulik" at 43.778,-1.634 h0.6
  text "FPGA DONE" at 11.498,-2.3 h1
BottomOverlay:
  drawing of 1234 lines, arcs and shapes, not listed
  text "WUT ISE 2021" at 27.885,123.339 h1.02
  text "EEM FMC Carrier v1.1" at 31.875,97.911 h1.5
TopSolder:
  rectangle: -2.379,-4.947 -0.202,-3.15
  rectangle: -0.202,-4.947 1.975,-3.175
  rectangle: 1.448,-4.947 216.417,-3.15
  region: 202.467,46.205 202.467,42.705 216.43,42.705 216.43,46.205
BottomSolder:
  rectangle: -2.379,-4.947 -0.202,-3.15
  rectangle: -0.202,-4.947 1.975,-3.175
  rectangle: 1.367,-4.947 216.417,-3.15
  region: 202.467,46.205 202.467,42.705 216.43,42.705 216.43,46.205
Mechanical 1:
  lines w0.1: -5.9,3.65 -5.9,82.695 -3.57,85.025 -3.57,94.349 -3.469,94.45 214.469,94.45 216.469,92.45 216.469,-3.55 214.469,-5.55 -3.57,-5.55 -3.57,1.65 -3.57,3.65 -5.9,3.65
  lines w0.381: 50.863,109.037 61.275,109.037 87.176,109.037 109.014,109.037 125.52,109.037 139.994,109.037 151.93,109.037 ; 50.863,112.085 61.275,112.085 87.176,112.085 109.014,112.085 125.52,112.085 139.994,112.085 151.93,112.085 ; 50.863,115.133 61.275,115.133 87.176,115.133 109.014,115.133 125.52,115.133 139.994,115.133 151.93,115.133 ; 50.863,118.181 61.275,118.181 87.176,118.181 109.014,118.181 125.52,118.181 139.994,118.181 151.93,118.181 ; 50.863,121.229 61.275,121.229 87.176,121.229 109.014,121.229 125.52,121.229 139.994,121.229 151.93,121.229 ; 50.863,124.277 61.275,124.277 87.176,124.277 109.014,124.277 125.52,124.277 139.994,124.277 151.93,124.277 ; 50.863,127.325 61.275,127.325 87.176,127.325 109.014,127.325 125.52,127.325 139.994,127.325 151.93,127.325 ; 50.863,130.373 61.275,130.373 87.176,130.373 109.014,130.373 125.52,130.373 139.994,130.373 151.93,130.373 ; 50.863,133.421 61.275,133.421 87.176,133.421 109.014,133.421 125.52,133.421 139.994,133.421 151.93,133.421 ; 50.863,136.469 61.275,136.469 87.176,136.469 109.014,136.469 125.52,136.469 139.994,136.469 151.93,136.469 ; 50.863,139.517 61.275,139.517 87.176,139.517 109.014,139.517 125.52,139.517 139.994,139.517 151.93,139.517 ; 50.863,142.565 61.275,142.565 87.176,142.565 109.014,142.565 125.52,142.565 139.994,142.565 151.93,142.565 ; 50.863,145.613 61.275,145.613 87.176,145.613 109.014,145.613 125.52,145.613 139.994,145.613 151.93,145.613 ; 50.863,148.661 61.275,148.661 87.176,148.661 109.014,148.661 125.52,148.661 139.994,148.661 151.93,148.661 ; 50.863,151.709 151.93,151.709 ; 61.275,154.757 61.275,105.989 ; 87.176,154.757 87.176,105.989 ; 109.014,154.757 109.014,105.989 ; 125.52,154.757 125.52,105.989 ; 139.994,154.757 139.994,105.989 ; 61.275,105.989 50.863,105.989 50.863,154.757 151.93,154.757 151.93,105.989 139.994,105.989 ; 61.275,105.989 87.176,105.989 ; 87.176,105.989 109.014,105.989 ; 109.014,105.989 125.52,105.989 ; 125.52,105.989 139.994,105.989
  text "Layer" at 52.641,152.471 h1.52
  text "Name" at 63.053,152.471 h1.52
  text "Material" at 88.954,152.471 h1.52
  text "Thickness" at 110.792,152.471 h1.52
  text "Constant" at 127.298,152.471 h1.52
  text "Gerber" at 141.772,152.471 h1.52
  text "TopOverlay" at 63.053,149.423 h1.52
  text "GTO" at 141.772,149.423 h1.52
  text "TopSolder" at 63.053,146.375 h1.52
  text "Solder Resist" at 88.954,146.375 h1.52
  text "0,022mm" at 110.792,146.375 h1.52
  text "3.5" at 127.298,146.375 h1.52
  text "GTS" at 141.772,146.375 h1.52
  text "1" at 52.641,143.327 h1.52
  text "TopLayer" at 63.053,143.327 h1.52
  text "0,053mm" at 110.792,143.327 h1.52
  text "GTL" at 141.772,143.327 h1.52
  text "Dielectric1" at 63.053,140.279 h1.52
  text "FR-4" at 88.954,140.279 h1.52
  text "0,110mm" at 110.792,140.279 h1.52
  text "4.2" at 127.298,140.279 h1.52
  text "2" at 52.641,137.231 h1.52
  text "MidLayer1" at 63.053,137.231 h1.52
  text "0,018mm" at 110.792,137.231 h1.52
  text "G1" at 141.772,137.231 h1.52
  text "Dielectric2" at 63.053,134.183 h1.52
  text "FR-4" at 88.954,134.183 h1.52
  text "0,200mm" at 110.792,134.183 h1.52
  text "4.2" at 127.298,134.183 h1.52
  text "3" at 52.641,131.135 h1.52
  text "MidLayer2" at 63.053,131.135 h1.52
  text "0,018mm" at 110.792,131.135 h1.52
  text "G2" at 141.772,131.135 h1.52
  text "Dielectric3" at 63.053,128.087 h1.52
  text "FR-4" at 88.954,128.087 h1.52
  text "0,730mm" at 110.792,128.087 h1.52
  text "4.2" at 127.298,128.087 h1.52
  text "4" at 52.641,125.039 h1.52
  text "SignalLayer1" at 63.053,125.039 h1.52
  text "0,018mm" at 110.792,125.039 h1.52
  text "G3" at 141.772,125.039 h1.52
  text "Dielectric4" at 63.053,121.991 h1.52
  text "FR-4" at 88.954,121.991 h1.52
  text "0,200mm" at 110.792,121.991 h1.52
  text "4.2" at 127.298,121.991 h1.52
  text "5" at 52.641,118.943 h1.52
  text "Internal Plane 1" at 63.053,118.943 h1.52
  text "0,018mm" at 110.792,118.943 h1.52
  text "GP1" at 141.772,118.943 h1.52
  text "Dielectric5" at 63.053,115.895 h1.52
  text "FR-4" at 88.954,115.895 h1.52
  text "0,110mm" at 110.792,115.895 h1.52
  text "4.2" at 127.298,115.895 h1.52
  text "6" at 52.641,112.847 h1.52
  text "BottomLayer" at 63.053,112.847 h1.52
  text "0,053mm" at 110.792,112.847 h1.52
  text "GBL" at 141.772,112.847 h1.52
  text "BottomSolder" at 63.053,109.799 h1.52
  text "Solder Resist" at 88.954,109.799 h1.52
  text "0,022mm" at 110.792,109.799 h1.52
  text "3.5" at 127.298,109.799 h1.52
  text "GBS" at 141.772,109.799 h1.52
  text "BottomOverlay" at 63.053,106.751 h1.52
  text "GBO" at 141.772,106.751 h1.52
  text "All vias must be fileld with resin and capped with copper" at 45.138,101.546 h3
Mechanical 2:
  lines w0.1: -6.114,-19.788 -6.114,102.894
Mechanical 13:
  lines w0.01: -6.352,-6.334 -6.352,75.374

## Text inside footprints (layer, text, board x,y; h text height)
J6: TopOverlay "A" at 214.869,-4.25 h1 r90; TopOverlay "B" at 213.469,-4.25 h1 r90; TopOverlay "C" at 212.069,-4.25 h1 r90; TopOverlay "D" at 210.669,-3.25 h1 r90; TopOverlay "E" at 209.269,-3.25 h1 r90; TopOverlay "F" at 207.869,-3.25 h1 r90; TopOverlay "G" at 206.469,-3.25 h1 r90; TopOverlay "H" at 205.069,-3.25 h1 r90; TopOverlay "I" at 203.669,-3 h1 r90; TopOverlay "J" at 202.269,-3.25 h1 r90; TopOverlay "K" at 200.869,-3.25 h1 r90; TopOverlay "L" at 199.469,-3.25 h1 r90; TopOverlay "1" at 194.419,-1.4 h1 r90; TopOverlay "2" at 194.419,0.6 h1 r90; TopOverlay "3" at 194.419,2.6 h1 r90; TopOverlay "4" at 194.419,4.6 h1 r90; TopOverlay "5" at 194.419,6.6 h1 r90; TopOverlay "6" at 194.419,8.6 h1 r90; Drill Drawing "PRESS-FIT TECHNOLOGY" at 215.119,11.45 h1 r180; Drill Drawing "Diam. 0.5mm +/-0.05" at 215.119,12.95 h1 r180; Mechanical 14 "A" at 214.869,-4.25 h1 r90; Mechanical 14 "B" at 213.469,-4.25 h1 r90; Mechanical 14 "C" at 212.069,-4.25 h1 r90; Mechanical 14 "D" at 210.669,-3.25 h1 r90; Mechanical 14 "E" at 209.269,-3.25 h1 r90; Mechanical 14 "F" at 207.869,-3.25 h1 r90; Mechanical 14 "G" at 206.469,-3.25 h1 r90; Mechanical 14 "H" at 205.069,-3.25 h1 r90; Mechanical 14 "I" at 203.669,-3 h1 r90; Mechanical 14 "J" at 202.269,-3.25 h1 r90; Mechanical 14 "K" at 200.869,-3.25 h1 r90; Mechanical 14 "L" at 199.469,-3.25 h1 r90; Mechanical 14 "1" at 194.419,-1.4 h1 r90; Mechanical 14 "2" at 194.419,0.6 h1 r90; Mechanical 14 "3" at 194.419,2.6 h1 r90; Mechanical 14 "4" at 194.419,4.6 h1 r90; Mechanical 14 "5" at 194.419,6.6 h1 r90; Mechanical 14 "6" at 194.419,8.6 h1 r90; Mechanical 8 "Top Surface of Mother Board" at 228.719,-0.425 h0.5 r90; Mechanical 8 "Edge of Daugher Card" at 217.219,0.725 h0.5 r90
J7: TopOverlay "7" at 194.419,87.6 h1 r90; TopOverlay "8" at 194.419,89.6 h1 r90; TopOverlay "6" at 194.419,85.6 h1 r90; TopOverlay "5" at 194.419,83.6 h1 r90; TopOverlay "4" at 194.419,81.6 h1 r90; TopOverlay "3" at 194.419,79.6 h1 r90; TopOverlay "2" at 194.419,77.6 h1 r90; TopOverlay "1" at 194.419,75.6 h1 r90; TopOverlay "L" at 199.469,73.75 h1 r90; TopOverlay "K" at 200.869,73.75 h1 r90; TopOverlay "J" at 202.269,73.75 h1 r90; TopOverlay "I" at 203.669,74 h1 r90; TopOverlay "H" at 205.069,73.75 h1 r90; TopOverlay "G" at 206.469,73.75 h1 r90; TopOverlay "F" at 207.869,73.75 h1 r90; TopOverlay "E" at 209.269,73.75 h1 r90; TopOverlay "D" at 210.669,73.75 h1 r90; TopOverlay "C" at 212.069,72.75 h1 r90; TopOverlay "B" at 213.469,72.75 h1 r90; TopOverlay "A" at 214.869,72.75 h1 r90; Drill Drawing "Diam. 0.5mm +/-0.05" at 215.119,93.95 h1 r180; Drill Drawing "PRESS-FIT TECHNOLOGY" at 215.119,92.45 h1 r180; Mechanical 14 "7" at 194.419,87.6 h1 r90; Mechanical 14 "8" at 194.419,89.6 h1 r90; Mechanical 14 "6" at 194.419,85.6 h1 r90; Mechanical 14 "5" at 194.419,83.6 h1 r90; Mechanical 14 "4" at 194.419,81.6 h1 r90; Mechanical 14 "3" at 194.419,79.6 h1 r90; Mechanical 14 "2" at 194.419,77.6 h1 r90; Mechanical 14 "1" at 194.419,75.6 h1 r90; Mechanical 14 "L" at 199.469,73.75 h1 r90; Mechanical 14 "K" at 200.869,73.75 h1 r90; Mechanical 14 "J" at 202.269,73.75 h1 r90; Mechanical 14 "I" at 203.669,74 h1 r90; Mechanical 14 "H" at 205.069,73.75 h1 r90; Mechanical 14 "G" at 206.469,73.75 h1 r90; Mechanical 14 "F" at 207.869,73.75 h1 r90; Mechanical 14 "E" at 209.269,73.75 h1 r90; Mechanical 14 "D" at 210.669,73.75 h1 r90; Mechanical 14 "C" at 212.069,72.75 h1 r90; Mechanical 14 "B" at 213.469,72.75 h1 r90; Mechanical 14 "A" at 214.869,72.75 h1 r90; Mechanical 8 "Edge of Daugher Card" at 217.219,79.725 h0.5 r90; Mechanical 8 "Top Surface of Mother Board" at 228.719,78.575 h0.5 r90
J8: TopOverlay "30" at 195.71,21.585 h1.02 r270; Mechanical 14 "30" at 195.71,21.585 h1.02 r270
J9: TopOverlay "30" at 176.94,21.584 h1.02 r270; Mechanical 14 "30" at 176.94,21.584 h1.02 r270
J10: TopOverlay "1" at 201.285,71.142 h1.2 r270; Mechanical 14 "1" at 201.285,71.142 h1.2 r270